# Altium PCB nanoga_mezzanine.PcbDoc (part 3 of 3)
Units mm, origin at the board's own origin, x right, y up, seen from the top; angles counter-clockwise.
Board outline 100.05 x 34.55 mm, 6 copper layers (Top Layer, MidLayer1, MidLayer2, MidLayer3, MidLayer4, Bottom Layer), stack 1.096 mm thick; 318 components, 196 nets, 930 pads, 394 vias.
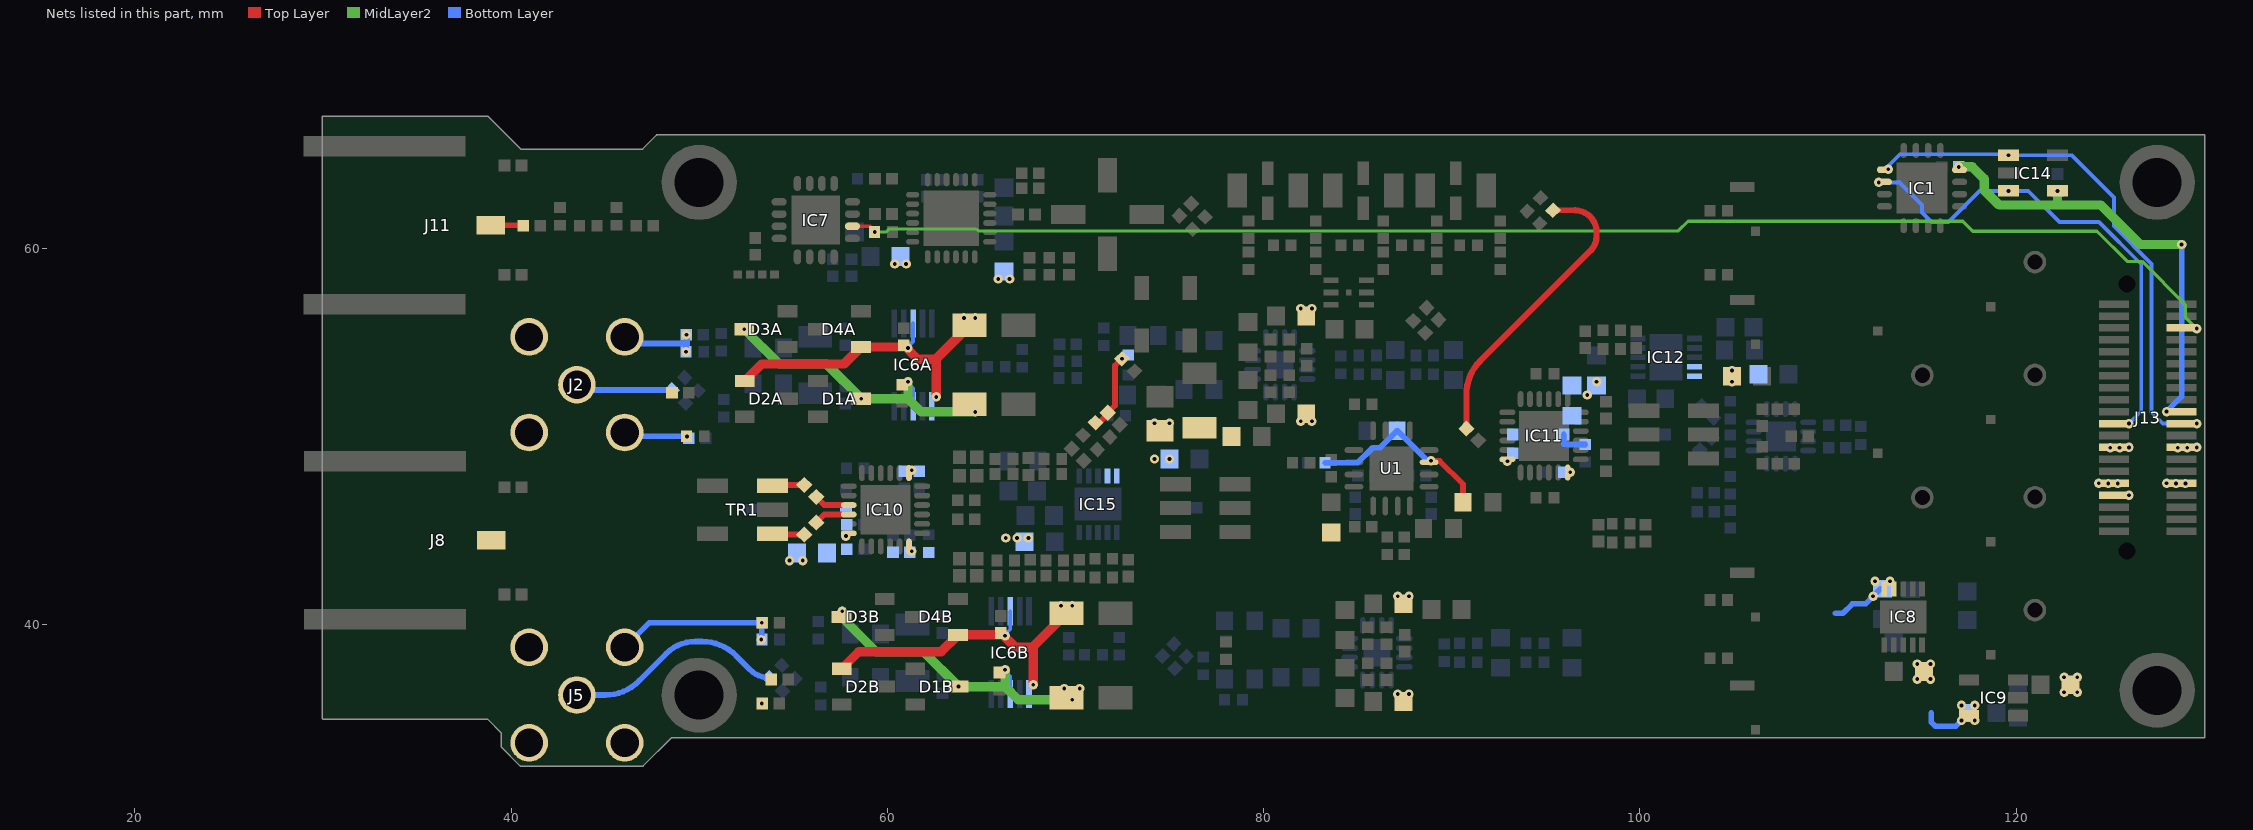
[diagram p7: the nets of this part, all layers, seen from the top]

## Via types
v1: diameter 0.5, hole 0.2, Top Layer to Bottom Layer, 384 vias
v2: diameter 0.6, hole 0.3, Top Layer to Bottom Layer, 6 vias
v3: diameter 0.8, hole 0.4, Top Layer to Bottom Layer, tented top, 4 vias

## Nets (pads, with @x,y where several pads share a name; then routed paths per layer and width w, separated by ;. In a path a pad name is that pad's centre, name@x,y a point inside that pad or via, vN(x,y) a via of type N, cw(c..) or ccw(c..) an arc to the next point about the centre after c; other vN are vias at no path point) (continued)
QHI_P: C90.2 R85.2 R86.2 R98.1 | length 4
  Top Layer w0.3: R85.2@71.162,50.627 71.663,51.129 ccw(c71.542,51.25) C90.2@71.713,51.25 72.1,51.636 72.1,53.765 v1(72.468,54.132)
RET1_IN: C10.1 C65.2 C68.2 J2.2 R35A.1 R62.2 | length 7.9
  Bottom Layer w0.3: J2.2@46.04,50.21 ccw(c46.547,50.717) 46.547,50 v1(49.35,50) ; J2.2@46.04,55.29 46.39,54.94 49.3,54.94 ; v1(49.3,54.5) 49.3,54.94 ; v1(49.32,55.4) 49.35,55.37 49.35,54.96 ; 49.35,54.89 49.35,54.94 ; 49.3,54.94 49.35,54.94 ; 49.3,54.94 49.3,55.01 49.35,54.96 ; 49.35,54.94 49.35,54.96
RET2_IN: C32.1 C67.2 C69.2 J5.2 R35B.1 R64.2 | length 8.6
  Bottom Layer w0.3: J5.2@40.96,38.79 J5.2@40.99,38.79 ; J5.2@46.04,38.79 47.35,40.1 C32.1@53.2,40.1 ; v1(53.32,40.1) 53.33,40.09 R35B.1@53.33,39.2
  other v1: 53.32,35.8 53.3,39.2
RF2_OUT: C50.2 J11.1 | length 1.8
  Top Layer w0.3: J11.1@38.925,61.225 40.49,61.225 cw(c40.49,61.035) 40.624,61.169 C50.2@40.65,61.195
RF_IN: C44.2 R59.1 | length 16.1
  Top Layer w0.3: R59.1@95.383,62.016 96.005,62.016 96.551,62.016
  Top Layer w0.33: C44.2@90.782,50.418 90.782,52.23 cw(c93.322,52.23) 91.526,54.026 97.4,59.9 ccw(c96.676,60.624) 97.7,60.624 97.7,60.867 ccw(c96.551,60.867) 96.551,62.016
RF_OUT1: J8.1
RFI_N: C77.2 IC10.21 | length 1.9
  Top Layer w0.3: C77.2@56.218,46.782 56.65,46.35 IC10.21@57.95,46.35
RFI_P: C73.2 IC10.22 | length 1.9
  Top Layer w0.3: C73.2@56.218,45.418 56.65,45.85 IC10.22@57.95,45.85
RFITR_N: C77.1 TR1.1 | length 1.7
  Top Layer w0.3: TR1.1@53.89,47.37 53.938,47.418 C77.1@55.582,47.418
RFITR_P: C73.1 TR1.3 | length 1.7
  Top Layer w0.3: TR1.3@53.89,44.83 53.938,44.782 C73.1@55.582,44.782
RFSW2_CTRL: IC7.2 J13.5 R20.2 | length 74.7
  Top Layer w0.2: IC7.2@58.147,61.17 59.092,61.17 59.327,60.935 v1(59.327,60.865)
  MidLayer2 w0.17: v1(59.327,60.865) 59.935,60.865 60.1,61.03 64.719,61.03 64.824,60.925 102.051,60.925 102.561,61.435 117.165,61.435 117.7,60.9 124.3,60.9 125.9,59.3 126.7,59.3 129,57 129,56.33 v1(129.6,55.73)
SCL: IC1.1 IC14.1 J13.21 | length 28.3
  Bottom Layer w0.2: v1(113.2,64.2) 113.2,64.375 113.825,65 119.55,65 v1(119.6,64.95) 122.95,64.95 125.2,62.7 125.2,61.166 127.2,59.166 127.2,51.283 127.8,50.683 v1(129.6,50.683)
SDA: IC1.2 IC14.3 J13.22 | length 26.1
  Bottom Layer w0.2: v1(112.7,63.5) 113.75,63.5 113.775,63.525 115,62.3 115,61.9 115.5,61.4 116.4,61.4 118.05,63.05 v1(119.6,63.05) 120.65,63.05 122.3,61.4 124.4,61.4 126.65,59.15 126.65,51.333 v1(126,50.683)
SIG1_IN: J2.1 R6A.1 | length 5.2
  Bottom Layer w0.3: J2.1@43.5,52.75 ccw(c44.182,53.432) 44.182,52.468 R6A.1@48.568,52.468 ; R6A.1@48.568,52.432 R6A.1@48.588,52.432
SIG2_IN: J5.1 R6B.1 | length 11.8
  Bottom Layer w0.3: J5.1@43.5,36.25 44.998,36.25 ccw(c44.998,38.79) 46.794,36.994 48.264,38.464 cw(c49.8,36.927) 49.8,39.1 50.148,39.1 cw(c50.148,36.56) 51.944,38.356 52.711,37.589 ccw(c53.728,38.605) R6B.1@53.728,37.168
VCCD_3V3: C43.2 C54.2 IC1.12 IC14.4 J13.19 | length 23.9
  MidLayer2 w0.5: v1(116.95,64.325) 117.675,64.325 118.3,63.7 118.3,63.1 119.1,62.3 122.2,62.3 ; v1(122.2,63.05) 122.2,62.3 ; v1(128.8,60.2) 126.6,60.2 124.5,62.3 122.2,62.3
  Bottom Layer w0.3: v1(128,51.318) 128.8,52.118 v1(128.8,60.2)
VCCN_5V0_A: C53.2 IC9.5 L5A.1 L5B.1 | length 2.9
  Bottom Layer w0.3: 115.5,35.3 115.5,34.8 115.7,34.6 116.8,34.6 v1(117.1,34.9) 117.45,35.25 C53.2@117.45,35.3
  other v1: 117.8,34.9 117.1,35.7 117.8,35.7 87.13,36.3 87.73,36.3 81.97,50.8 82.57,50.8
VCCN_6V0_A: J13.31 L10.1
  other v1: 122.55,36.4 123.25,36.4 122.55,37.2 123.25,37.2 128,47.508 128.5,47.495 129,47.495
VCCN_12V0_A: C41A.2 C41B.2 C42A.2 C42B.2 D2A.1 D2B.1 D4A.1 D4B.1 IC6A.3 IC6A.6 IC6B.3 IC6B.6 J13.25 | length 34.3
  Top Layer w0.5: D2A.1@52.42,52.95 53.32,53.85 57.7,53.85 D4A.1@58.6,54.75 60.77,54.75 C41A.2@60.87,54.85 61.62,54.1 62.57,54.1 ; D2B.1@57.58,37.65 58.48,38.55 62.86,38.55 D4B.1@63.76,39.45 65.93,39.45 C41B.2@66.03,39.55 66.78,38.8 67.73,38.8 ; v1(62.6,52.1) 62.6,54.1 62.585,54.115 ; C42A.2@64.37,55.9 62.585,54.115 ; v1(67.76,36.8) 67.76,38.8 67.745,38.815 ; C42B.2@69.53,40.6 67.745,38.815 ; 62.57,54.1 62.585,54.115 ; 62.57,54.1 62.57,54.13 62.585,54.115 ; 67.73,38.8 67.745,38.815 ; 67.73,38.8 67.73,38.83 67.745,38.815
  Bottom Layer w0.2: v1@61.12,54.8 61.37,55.05 IC6A.3@61.37,56 ; v1@66.28,39.5 66.53,39.75 IC6B.3@66.53,40.7
  other v1: 66.26,39.4 69.23,41 69.83,41 128.6,49.4 129.1,49.4 129.6,49.413 61.1,54.7 64.07,56.3 64.67,56.3
VCCP_5V0: C11.2 IC8.9 IC8.10 L3A.2 L3B.2 L4.1 L6.2 L7.1 L8.2 L11.1 L12.1 | length 3
  Bottom Layer w0.3: 110.4,40.6 110.8,40.6 111.3,41.1 112,41.1 v1(112.4,41.5) 112.8,41.9 C11.2@112.9,41.9
  other v1: 87.13,41.5 87.73,41.5 112.5,42.3 113.3,42.3 54.8,43.4 55.5,43.4 97.2,52.2 97.7,52.9 81.97,56.8 82.57,56.8 65.897,58.365 66.497,58.365 60.397,59.165 60.997,59.165
VCCP_6V0_A: J13.32 J13.34 L9.1
  other v1: 114.75,37.1 115.45,37.1 114.75,37.9 115.45,37.9 126,46.873 124.4,47.508 124.9,47.495 125.4,47.495
VCCP_11V5_A: C12.2 C13.2 C76.2 IC15.9 IC15.10 R5.1
  other v1: 74.2,48.8 75,48.8 74.2,50.7 75,50.7
VCCP_12V0_A: C34A.1 C34B.1 C35A.2 C35B.2 D1A.3 D1B.3 D3A.3 D3B.3 IC6A.8 IC6B.8 J13.26 L14.1 | length 32.9
  MidLayer2 w0.5: v1(52.4,55.7) 54.25,53.85 56.77,53.85 v1(58.62,52) 61.1,52 ; v1(57.6,40.7) 57.6,40.36 59.41,38.55 61.93,38.55 v1(63.78,36.7) 66.26,36.7 ; v1(61.1,52.9) 61.1,52 ; v1(64.67,51.3) 64.07,51.3 61.8,51.3 61.1,52 ; v1(66.26,37.6) 66.26,36.7 ; 69.23,36 66.96,36 66.26,36.7 ; 69.23,36 v1(69.83,36)
  Bottom Layer w0.2: v1@61.12,52.8 61.37,52.55 IC6A.8@61.37,51.6 ; v1@66.28,37.5 66.53,37.25 IC6B.8@66.53,36.3
  other v1: 69.4,36.6 70.23,36.6 66.3,44.6 66.9,44.6 67.5,44.6 125,49.4 125.5,49.4 126,49.413
VCCP_LO_3V3: C99.2 IC12.9 IC12.10 L13.1
  other v1: 104.9,52.9 104.9,53.5
VdPS: C93.2 C94.2 C95.2 C96.2 C97.2 C98.2 IC10.6 IC10.13 IC10.24 L11.2 R77.2 R78.2
  other v1: 61.3,43.9 57.8,44.7 61.3,48.2
VPS: C48.2 C70.2 C71.2 C72.2 IC11.18 IC11.24 L4.2 R38.2 | length 1.7
  Bottom Layer w0.3: C71.2@95.95,50.1 95.95,49.59 96.15,49.59 96.17,49.57 R38.2@97.1,49.57
  other v1: 96.3,48.1 92.96,48.68
VREF_AD8363: R28.1 R29.2 R30.1 U1.11 | length 10.2
  Top Layer w0.3: v1(88.9,48.7) 89.361,48.7 90.6,47.461 R28.1@90.6,46.5
  Bottom Layer w0.3: R30.1@83.27,48.6 85,48.6 85.8,49.4 86.019,49.4 86.021,49.402 86.202,49.402 R29.2@87.1,50.3 87.125,50.3 88.725,48.7 v1(88.9,48.7)
pads on no net: D1A.2 D1B.2 D2A.2 D2B.2 D3A.2 D3B.2 D4A.2 D4B.2 IC1.5 IC1.6 IC1.7 IC1.8 IC1.9 IC1.10 IC1.13 IC1.14 IC1.15 IC1.16 IC3.19 IC7.4 IC7.6 IC7.7 IC7.8 IC7.13 IC7.14 IC7.15 IC7.16 IC8.4 IC9.4 IC10.12 IC11.6 IC11.7 IC11.13 IC11.15 IC12.4 IC13.9 IC13.10 IC13.14 IC13.15 IC14.5 IC15.4 J13.20 J13.27 J13.28 J13.P1 J13.P2 L1.2 L1.4 TR2.5 TR3.5 U1.13

## Polygon pours and split planes (outlines as drawn)
RET2_IN on MidLayer2 "RET2_IN_L03_P059" (solid, remove dead copper, pour order 115): 41,40.5 46.793,40.5 ccw(c46.793,42.207) 48,41 cw(c48.724,40.276) 48.724,41.3 52.776,41.3 cw(c52.776,40.276) 53.5,41 cw(c52.776,40.276) 53.8,40.276 53.8,37.935 ccw(c54.141,37.935) 53.9,37.694 54.276,37.317 cw(c54.219,37.26) 54.3,37.26 cw(c53.649,37.26) 54.109,36.8 ccw(c54.857,36.053) 53.8,36.053 53.8,35.524 cw(c52.776,35.524) 53.5,34.8 51.944,33.244 cw(c50.148,35.04) 50.148,32.5 40.152,32.5 cw(c40.152,35.04) 38.356,33.244 38,33.6 cw(c39.449,35.049) 37.4,35.049 37.4,36.9 cw(c39.331,36.9) 37.966,38.266 39.634,39.934 cw(c41,38.569)
RET1_IN on MidLayer2 "RET1_IN_L03_P065" (solid, remove dead copper, pour order 121): 48.034,57 cw(c48.034,55.634) 49,56.6 49.607,55.993 cw(c49.215,55.6) 49.77,55.6 49.77,54.692 cw(c48.848,54.692) 49.5,54.04 48.87,53.41 ccw(c49.28,53) 48.7,53 48.7,52.941 ccw(c49.041,52.941) 48.8,52.7 48.929,52.571 cw(c48.759,52.4) 49,52.4 49,52.363 cw(c48.486,52.363) 48.849,52 ccw(c49.21,51.639) 48.7,51.639 48.7,51.5 ccw(c49.666,51.5) 48.983,50.817 49.059,50.741 ccw(c49.4,51.083) 49.4,50.6 cw(c49.4,50.455) 49.502,50.558 49.6,50.46 cw(c49.117,49.977) 49.8,49.977 49.8,49.7 cw(c48.351,49.7) 49.376,48.676 49.3,48.6 cw(c47.61,50.29) 47.61,47.9 42.252,47.9 cw(c42.252,50.44) 40.456,48.644 39.5,49.6 cw(c40.466,50.566) 39.1,50.566 39.1,55 cw(c40.79,55) 39.595,56.195 40,56.6 cw(c40.966,55.634) 40.966,57
NetC52_2 on MidLayer2 "NETC52_2_L03_P071" (solid, remove dead copper, pour order 127): 30,67 37.245,67 cw(c37.245,64.46) 39.041,66.256 39.575,65.723 cw(c38.307,64.455) 40.1,64.455 40.1,63.966 ccw(c41.466,63.966) 40.5,63 cw(c39.052,61.552) 41.1,61.552 41.1,61.007 cw(c39.393,61.007) 40.6,59.8 40.595,59.795 ccw(c41.79,58.6) 40.1,58.6 cw(c37.686,58.6) 39.393,56.893 38.944,56.444 cw(c37.148,58.24) 37.148,55.7 30.014,55.7
NetC51_2 on MidLayer2 "NETC51_2_L03_P077" (solid, remove dead copper, pour order 133): 30.025,50.25 37.27,50.25 cw(c37.27,47.71) 39.067,49.506 39.6,48.972 cw(c38.332,47.704) 40.125,47.704 40.125,47.215 ccw(c41.491,47.215) 40.525,46.25 cw(c39.077,44.801) 41.125,44.801 41.125,44.257 cw(c39.418,44.257) 40.625,43.05 40.62,43.045 ccw(c41.815,41.85) 40.125,41.85 cw(c37.711,41.85) 39.418,40.142 38.969,39.694 cw(c37.173,41.49) 37.173,38.95 30.039,38.95
VCCP_12V0_A on MidLayer2 "VCCP_12V0_A_L03_P086" (solid, remove dead copper, pour order 146): 75.8,50.7 ccw(c73.8,50.7) 73.8,52.7 62.7,52.7 cw(c62.7,53.5) 61.9,53.5 61.9,53.96 ccw(c59.36,53.96) 59.36,56.5 52.2,56.5 ccw(c52.2,55.47) 51.17,55.47 51.17,52.04 ccw(c53.71,52.04) 53.71,49.5 74.7,49.5 ccw(c74.7,50.6) 75.8,50.6
VdPS on MidLayer2 "VDPS_L03_P141" (solid, pour order 141): 57,49 ccw(c57,48) 56,48 56,44 ccw(c57,44) 57,43 62,43 ccw(c62,44) 63,44 63,48 ccw(c62,48) 62,49
VCCP_12V0_A on MidLayer2 "VCCP_12V0_A_L03_P085" (solid, remove dead copper, pour order 145): 70.6,36.3 cw(c70,36.3) 70,35.7 59.64,35.7 cw(c59.64,38.24) 57.1,38.24 57.1,42.1 cw(c58,42.1) 58,43 68.5,43 ccw(c68.5,43.5) 69,43.5 cw(c69.6,43.5) 69.6,44.1 74,44.1 cw(c74,43.5) 74.6,43.5 74.6,43.2 cw(c74.1,43.2) 74.1,42.7 71.2,42.7 ccw(c71.2,42.3) 70.8,42.3 cw(c70.3,42.3) 70.3,41.8 68.5,41.8 ccw(c68.5,40.6) 67.3,40.6 67.3,39.7 ccw(c69,39.7) 69,38 69.6,38 cw(c69.6,37) 70.6,37
GND on MidLayer2 "GND_L03_P089" (solid, remove dead copper, pour order 149): 38.739,34.975 39.475,34.239 39.475,33.5 ccw(c39.5,33.5) 39.482,33.482 40.482,32.482 cw(c40.5,32.5) 40.482,32.482 ccw(c40.5,32.5) 40.5,32.475 47,32.475 ccw(c47,32.5) 47.018,32.482 48.511,33.975 130,33.975 ccw(c130,34) 130.025,34 130.025,66 ccw(c130,66) 130,66.025 47.75,66.025 ccw(c47.75,66) 47.732,66.018 cw(c47.75,66) 47.732,66.018 46.989,65.275 40.511,65.275 38.768,67.018 cw(c38.75,67) 38.768,67.018 ccw(c38.75,67) 38.75,67.025 30,67.025 ccw(c30,67) 29.975,67 29.975,35 ccw(c30,35) 30,34.975
RET2_IN on MidLayer3 "RET2_IN_L04_P060" (solid, remove dead copper, pour order 116): 41,40.5 46.793,40.5 ccw(c46.793,42.207) 48,41 cw(c48.724,40.276) 48.724,41.3 52.776,41.3 cw(c52.776,40.276) 53.5,41 cw(c52.776,40.276) 53.8,40.276 53.8,37.935 ccw(c54.141,37.935) 53.9,37.694 54.276,37.317 cw(c54.219,37.26) 54.3,37.26 cw(c53.649,37.26) 54.109,36.8 ccw(c54.857,36.053) 53.8,36.053 53.8,35.524 cw(c52.776,35.524) 53.5,34.8 51.944,33.244 cw(c50.148,35.04) 50.148,32.5 40.152,32.5 cw(c40.152,35.04) 38.356,33.244 38,33.6 cw(c39.449,35.049) 37.4,35.049 37.4,36.9 cw(c39.331,36.9) 37.966,38.266 39.634,39.934 cw(c41,38.569)
VCCN_12V0_A on MidLayer3 "VCCN_12V0_A_L04_P050" (solid, remove dead copper, pour order 107): 0,0
VCCN_6V0_A on MidLayer3 "VCCN_6V0_A_L04_P043" (solid, remove dead copper, pour order 100): 127.06,36 ccw(c127.06,38.54) 129.6,38.54 129.6,47.443 ccw(c129,47.443) 129,48.043 127.443,48.043 ccw(c127.443,47.6) 127,47.6 127,42 cw(c126,42) 126,41 124.54,41 ccw(c124.54,38.46) 122,38.46 122,36.5 ccw(c122.5,36.5) 122.5,36
VCCP_6V0_A on MidLayer3 "VCCP_6V0_A_L04_P044" (solid, remove dead copper, pour order 101): 114.735,36.565 120.065,36.565 ccw(c120.065,38) 121.5,38 121.5,39.485 cw(c124.04,39.485) 124.04,42.025 126,42.025 ccw(c126,42.625) 126.6,42.625 126.6,47 ccw(c125.6,47) 125.6,48 122.54,48 ccw(c122.54,45.46) 120,45.46 120,43.507 cw(c119.6,44.2) 119.6,43.4 ccw(c119.6,42.3) 118.5,42.3 118.5,40.891 cw(c117.4,40.891) 117.973,39.952 cw(c117.46,42.44) 117.46,39.9 114.9,39.9 ccw(c114.9,39) 114,39 114,37.3 ccw(c114.735,37.3)
VCCP_5V0 on MidLayer3 "VCCP_5V0_L04_P046" (solid, remove dead copper, pour order 103): 58.8,42 65.4,42 ccw(c65.4,42.5) 65.9,42.5 ccw(c65.4,42.5) 65.9,42.5 65.9,43 ccw(c65.4,43) 65.4,43.5 ccw(c65.4,43) 65.4,43.5 61.4,43.5 61.4,45.06 ccw(c60.92,45.2) 61.42,45.2 61.42,57.1 66.4,57.1 ccw(c66.4,57.6) 66.9,57.6 ccw(c66.4,57.6) 66.9,57.6 66.9,58.1 ccw(c66.4,58.1) 66.9,58.102 66.9,58.1 ccw(c66.4,58.1) 66.897,58.15 ccw(c66.4,58.2) 66.9,58.2 cw(c66.4,58.2) 66.9,58.2 66.9,58.7 cw(c66.4,58.7) 66.9,58.7 ccw(c66.4,58.7) 66.4,59.2 61.42,59.2 61.42,59.5 ccw(c61.02,59.5) 61.02,59.9 60.32,59.9 ccw(c60.32,59.5) 59.92,59.5 59.92,58.1 59.22,58.1 ccw(c59.22,57.7) 58.82,57.7 58.82,43.5 58.8,43.5
RET1_IN on MidLayer3 "RET1_IN_L04_P066" (solid, remove dead copper, pour order 122): 48.034,57 cw(c48.034,55.634) 49,56.6 49.607,55.993 cw(c49.215,55.6) 49.77,55.6 49.77,54.692 cw(c48.848,54.692) 49.5,54.04 48.87,53.41 ccw(c49.28,53) 48.7,53 48.7,52.941 ccw(c49.041,52.941) 48.8,52.7 48.929,52.571 cw(c48.759,52.4) 49,52.4 49,52.363 cw(c48.486,52.363) 48.849,52 ccw(c49.21,51.639) 48.7,51.639 48.7,51.5 ccw(c49.666,51.5) 48.983,50.817 49.059,50.741 ccw(c49.4,51.083) 49.4,50.6 cw(c49.4,50.455) 49.502,50.558 49.6,50.46 cw(c49.117,49.977) 49.8,49.977 49.8,49.7 cw(c48.351,49.7) 49.376,48.676 49.3,48.6 cw(c47.61,50.29) 47.61,47.9 42.252,47.9 cw(c42.252,50.44) 40.456,48.644 39.5,49.6 cw(c40.466,50.566) 39.1,50.566 39.1,55 cw(c40.79,55) 39.595,56.195 40,56.6 cw(c40.966,55.634) 40.966,57
NetC52_2 on MidLayer3 "NETC52_2_L04_P072" (solid, remove dead copper, pour order 128): 30,67 37.245,67 cw(c37.245,64.46) 39.041,66.256 39.575,65.723 cw(c38.307,64.455) 40.1,64.455 40.1,63.966 ccw(c41.466,63.966) 40.5,63 cw(c39.052,61.552) 41.1,61.552 41.1,61.007 cw(c39.393,61.007) 40.6,59.8 40.595,59.795 ccw(c41.79,58.6) 40.1,58.6 cw(c37.686,58.6) 39.393,56.893 38.944,56.444 cw(c37.148,58.24) 37.148,55.7 30.014,55.7
NetC51_2 on MidLayer3 "NETC51_2_L04_P078" (solid, remove dead copper, pour order 134): 30.025,50.25 37.27,50.25 cw(c37.27,47.71) 39.067,49.506 39.6,48.972 cw(c38.332,47.704) 40.125,47.704 40.125,47.215 ccw(c41.491,47.215) 40.525,46.25 cw(c39.077,44.801) 41.125,44.801 41.125,44.257 cw(c39.418,44.257) 40.625,43.05 40.62,43.045 ccw(c41.815,41.85) 40.125,41.85 cw(c37.711,41.85) 39.418,40.142 38.969,39.694 cw(c37.173,41.49) 37.173,38.95 30.039,38.95
VCCN_5V0_A on MidLayer3 "VCCN_5V0_A_L04_P045" (solid, remove dead copper, pour order 102): 117.905,34.4 ccw(c117.905,34.9) 118.405,34.9 118.405,35.4 ccw(c117.905,35.4) 118.405,35.4 ccw(c117.905,35.4) 118.405,35.4 118.405,35.9 ccw(c117.905,35.9) 117.905,36.4 103.605,36.4 ccw(c103.605,36) 103.205,36 103.205,35.9 88.095,35.9 88.095,36.6 ccw(c87.695,36.6) 87.695,37 ccw(c87.695,36.6) 87.695,37 83,37 83,50.8 ccw(c82.6,50.8) 82.6,51.2 81.9,51.2 ccw(c81.9,50.8) 81.5,50.8 81.5,34.9 ccw(c82,34.9) 81.505,34.829 81.505,34.8 ccw(c81.905,34.8) 81.905,34.4 81.998,34.4 ccw(c82,34.9) 82,34.4 82.5,34.4 ccw(c82.5,34.9) 82.502,34.4
VCCP_5V0 on MidLayer3 "VCCP_5V0_L04_P047" (solid, remove dead copper, pour order 104): 80.185,34.701 ccw(c80.21,35.2) 80.21,34.7 80.71,34.7 ccw(c80.71,35.2) 81.21,35.2 81.21,49.5 ccw(c80.81,49.5) 81.18,49.652 81.18,55.9 84.38,55.9 84.38,57.4 81.039,57.4 ccw(c80.78,57.095) 80.78,57.495 79.71,57.495 ccw(c79.71,57.095) 79.31,57.095 79.31,56.99 ccw(c79.22,56.6) 79.22,57 78.52,57 ccw(c78.52,56.6) 78.12,56.6 78.12,42.3 ccw(c78.62,42.3) 78.62,41.8 79.11,41.8 79.11,36.2 65.63,36.2 65.63,43.305 64.13,43.305 64.13,35.2 ccw(c64.63,35.2) 64.63,34.7 65.13,34.7 ccw(c65.13,35.2) 65.132,34.7 79.3,34.7 ccw(c79.3,35.2) 79.447,34.722 ccw(c79.61,35.195) 79.61,34.695 80.11,34.695 ccw(c80.11,35.195)
VCCP_5V0 on MidLayer3 "VCCP_5V0_L04_P140" (solid, remove dead copper, pour order 140): 54,43.4 ccw(c55.4,43.4) 55.4,42 58.8,42 ccw(c58.8,42.5) 59.3,42.5 59.3,43.7 ccw(c58.9,43.7) 58.9,44.1 54.7,44.1 ccw(c54.7,43.4)
VCCN_12V0_A on MidLayer3 "VCCN_12V0_A_L04_P048" (solid, remove dead copper, pour order 105): 61.9,55.9 ccw(c62.4,55.9) 62.4,55.4 68.4,55.4 68.4,40.5 ccw(c68.9,40.5) 68.9,40 69.4,40 ccw(c69.4,40.5) 69.55,40.023 ccw(c69.7,40.5) 69.7,40 70.2,40 ccw(c70.2,40.5) 70.7,40.5 70.7,56.7 ccw(c70.3,56.7) 70.3,57.1 69.6,57.1 ccw(c69.6,56.7) 69.55,57.097 ccw(c69.5,56.7) 69.5,57.1 68.8,57.1 ccw(c68.8,56.7) 68.454,56.9 62.4,56.9 ccw(c62.4,56.4) 61.9,56.4
VCCN_12V0_A on MidLayer3 "VCCN_12V0_A_L04_P051" (solid, remove dead copper, pour order 108): 106.6,59.371 ccw(c107,59.371) 107,58.971 126.6,58.971 126.6,52.3 126.6,48.9 ccw(c127.1,48.9) 127.1,48.4 127.6,48.4 ccw(c127.6,48.9) 127.65,48.403 ccw(c127.7,48.9) 127.7,48.4 128.7,48.4 ccw(c128.7,48.9) 128.75,48.403 ccw(c128.8,48.9) 128.8,48.4 129.3,48.4 ccw(c129.3,48.9) 129.8,48.9 129.8,55.9 129.8,59.1 129.8,62.3 129.8,64.9 126.6,64.9 90.1,64.9 67.6,64.9 ccw(c67.6,64.4) 67.1,64.4 67.1,63.9 ccw(c67.6,63.9) 67.103,63.85 ccw(c67.6,63.8) 67.1,63.8 67.1,62.8 ccw(c67.6,62.8) 67.103,62.75 ccw(c67.6,62.7) 67.1,62.7 ccw(c68.1,62.7) 68.1,61.7 68.481,61.7 68.481,51.7 ccw(c68.981,51.7) 68.981,51.2 69.481,51.2 ccw(c69.481,51.7) 69.531,51.203 ccw(c69.581,51.7) 69.581,51.2 70.581,51.2 ccw(c70.581,51.7) 70.631,51.203 ccw(c70.681,51.7) 70.681,51.2 71.181,51.2 ccw(c71.181,51.7) 71.681,51.7 71.681,61.7 90.4,61.7 106.6,61.7
VCCP_12V0_A on MidLayer3 "VCCP_12V0_A_L04_P049" (solid, pour order 106): 74.55,42.123 ccw(c74.7,42.6) 74.7,42.1 75.2,42.1 ccw(c75.2,42.6) 75.7,42.6 75.7,50.705 75.7,60.2 ccw(c75.3,60.2) 75.3,60.6 74.659,60.6 ccw(c74.657,60.1) 74.657,60.6 74.157,60.6 ccw(c74.157,60.1) 73.657,60.1 73.657,57.3 73.1,57.3 ccw(c73.1,56.9) 72.7,56.9 72.7,42.6 ccw(c73.2,42.6) 73.2,42.1 73.7,42.1 ccw(c73.7,42.6) 73.8,42.11 ccw(c73.9,42.6) 73.9,42.1 74.4,42.1 ccw(c74.4,42.6)
VCCP_5V0 on MidLayer3 "VCCP_5V0_L04_P081" (solid, remove dead copper, pour order 137): 105.323,43.4 109.294,43.4 112.806,43.4 113.525,43.4 cw(c113.525,42.9) 114.025,42.9 114.025,42.4 114.015,42.3 114.025,42.2 114.025,41.7 cw(c113.525,41.7) 113.525,41.2 105.425,41.2 105.025,41 90.725,41 90.6,41.02 86.845,41.02 86.52,40.9 86.02,40.9 85.695,41.02 83.6,41.02 83.257,41.214 83.18,41.45 83.18,55.75 83.1,55.9 81.7,55.9 cw(c81.7,56.4) 81.2,56.4 81.2,56.9 cw(c81.7,56.9) 81.7,57.4 83.6,57.4 84.3,57.4 cw(c84.3,57) 84.7,57 84.7,56.425 85.2,56.425 85.248,56.428 cw(c85.248,55.958) 85.695,56.1 85.808,56.117 85.92,56.1 86.62,56.1 cw(c86.62,55.7) 87.02,55.7 87.02,43.4 101.471,43.4
VCCP_5V0 on MidLayer3 "VCCP_5V0_L04_P081" (solid, remove dead copper, pour order 138): 83.6,41.02 85.695,41.02 86.02,40.9
VCCP_5V0 on MidLayer3 "VCCP_5V0_L04_P139" (solid, remove dead copper, pour order 139): 96,42.7 96,51.8 cw(c97.6,51.8) 97.6,53.4 98.6,53.4 cw(c98.6,52) 100,52 100,43 cw(c99.3,43) 99.3,42.3 96.4,42.3 cw(c96.4,42.6) 96.1,42.6
VCCP_12V0_A on MidLayer3 "VCCP_12V0_A_L04_P052" (solid, remove dead copper, pour order 109): 125.47,48.301 ccw(c125.5,48.8) 125.5,48.3 ccw(c125.5,48.8) 125.5,48.3 126,48.3 ccw(c126,48.8) 126,48.3 ccw(c126,48.8) 126.5,48.8 ccw(c126,48.8) 126.5,48.8 126.5,58.4 124.44,58.4 106.1,58.4 106.1,61.135 74.1,61.135 ccw(c74.1,60.735) 74.1,61.135 ccw(c74.1,60.735) 73.7,60.735 73.7,58.335 ccw(c74.1,58.335) 74.1,57.935 ccw(c74.1,58.335) 74.1,57.935 93.001,57.935 ccw(c93.5,57.9) 93,57.9 ccw(c93.5,57.9) 93,57.9 93,57.4 ccw(c93.5,57.4) 93,57.4 ccw(c93.5,57.4) 93.5,56.9 ccw(c93.5,57.4) 93.5,56.9 124.44,56.9 124.44,48.8 ccw(c124.94,48.8) 124.44,48.8 ccw(c124.94,48.8) 124.94,48.3 ccw(c124.94,48.8) 124.94,48.3 125.44,48.3 ccw(c125.44,48.8) 125.44,48.3 ccw(c125.44,48.8)
VCCP_12V0_A on MidLayer3 "VCCP_12V0_A_L04_P054" (solid, remove dead copper, pour order 111): 70.6,36.2 70.6,36.7 74.4,36.7 ccw(c74.4,37.2) 74.55,36.723 ccw(c74.7,37.2) 74.7,36.7 75.2,36.7 ccw(c75.2,37.2) 75.7,37.2 75.7,51.5 ccw(c75.3,51.5) 75.3,51.9 ccw(c75.3,51.5) 75.3,51.9 74.6,51.9 ccw(c74.6,51.5) 74.6,51.9 ccw(c74.6,51.5) 74.2,51.5 74.2,51.6 ccw(c73.8,51.6) 73.8,52 ccw(c73.8,51.6) 73.8,52 73.1,52 ccw(c73.1,51.6) 73.1,52 ccw(c73.1,51.6) 72.7,51.6 72.7,40.476 67.9,40.476 67.9,52.3 ccw(c67.5,52.3) 67.9,52.3 ccw(c67.5,52.3) 67.5,52.7 ccw(c67.5,52.3) 67.5,52.7 66.8,52.7 ccw(c66.8,52.3) 66.8,52.7 ccw(c66.8,52.3) 66.769,52.699 66.769,52.7 66.674,52.7 cw(c66.674,52.804) 66.57,52.803 66.57,53.3 ccw(c66.17,53.3) 66.57,53.3 ccw(c66.17,53.3) 66.17,53.7 ccw(c66.17,53.3) 66.17,53.7 65.47,53.7 ccw(c65.47,53.301) 65.47,53.7 ccw(c65.47,53.301) 65.343,53.679 ccw(c65.2,53.202) 65.2,53.7 ccw(c65.2,53.202) 65.2,53.7 64.4,53.7 ccw(c64.4,53.2) 64.4,53.7 ccw(c64.4,53.2) 64.1,53.6 61.1,53.6 ccw(c61.1,53.1) 61.1,53.6 ccw(c61.1,53.1) 60.6,53.1 ccw(c61.1,53.1) 60.6,53.1 60.6,52.6 ccw(c61.1,52.6) 61.1,52.1 ccw(c61.1,52.6) 61.1,52.1 63.9,52.1 63.9,48.4 63.9,46.63 ccw(c64.4,46.63) 63.9,46.63 ccw(c64.4,46.63) 64.4,46.13 65.07,46.13 65.07,39 ccw(c65.57,39) 65.57,38.5 ccw(c65.57,39) 65.57,38.5 65.7,38.5 65.7,37.2 ccw(c66.2,37.2) 65.7,37.2 ccw(c66.2,37.2) 66.2,36.7 ccw(c66.2,37.2) 66.2,36.7 66.7,36.7 69.1,36.7 69.1,36.2 ccw(c69.6,36.2) 69.1,36.2 ccw(c69.6,36.2) 69.6,35.7 70.1,35.7 ccw(c70.1,36.2)
GND on MidLayer3 "GND_L04_P088" (solid, remove dead copper, pour order 148): 38.739,34.975 39.475,34.239 39.475,33.5 ccw(c39.5,33.5) 39.482,33.482 40.482,32.482 cw(c40.5,32.5) 40.482,32.482 ccw(c40.5,32.5) 40.5,32.475 47,32.475 ccw(c47,32.5) 47.018,32.482 48.511,33.975 130,33.975 ccw(c130,34) 130.025,34 130.025,66 ccw(c130,66) 130,66.025 47.75,66.025 ccw(c47.75,66) 47.732,66.018 cw(c47.75,66) 47.732,66.018 46.989,65.275 40.511,65.275 38.768,67.018 cw(c38.75,67) 38.768,67.018 ccw(c38.75,67) 38.75,67.025 30,67.025 ccw(c30,67) 29.975,67 29.975,35 ccw(c30,35) 30,34.975
GND on MidLayer1 "GND_L02_P090" (solid, remove dead copper, pour order 150): 38.739,34.975 39.475,34.239 39.475,33.5 ccw(c39.5,33.5) 39.482,33.482 40.482,32.482 cw(c40.5,32.5) 40.482,32.482 ccw(c40.5,32.5) 40.5,32.475 47,32.475 ccw(c47,32.5) 47.018,32.482 48.511,33.975 130,33.975 ccw(c130,34) 130.025,34 130.025,66 ccw(c130,66) 130,66.025 47.75,66.025 ccw(c47.75,66) 47.732,66.018 cw(c47.75,66) 47.732,66.018 46.989,65.275 40.511,65.275 38.768,67.018 cw(c38.75,67) 38.768,67.018 ccw(c38.75,67) 38.75,67.025 30,67.025 ccw(c30,67) 29.975,67 29.975,35 ccw(c30,35) 30,34.975
RET2_IN on MidLayer1 "RET2_IN_L02_P058" (solid, remove dead copper, pour order 114): 41,40.5 46.793,40.5 ccw(c46.793,42.207) 48,41 cw(c48.724,40.276) 48.724,41.3 52.776,41.3 cw(c52.776,40.276) 53.5,41 cw(c52.776,40.276) 53.8,40.276 53.8,37.935 ccw(c54.141,37.935) 53.9,37.694 54.276,37.317 cw(c54.219,37.26) 54.3,37.26 cw(c53.649,37.26) 54.109,36.8 ccw(c54.857,36.053) 53.8,36.053 53.8,35.524 cw(c52.776,35.524) 53.5,34.8 51.944,33.244 cw(c50.148,35.04) 50.148,32.5 40.152,32.5 cw(c40.152,35.04) 38.356,33.244 38,33.6 cw(c39.449,35.049) 37.4,35.049 37.4,36.9 cw(c39.331,36.9) 37.966,38.266 39.634,39.934 cw(c41,38.569)
RET1_IN on MidLayer1 "RET1_IN_L02_P064" (solid, remove dead copper, pour order 120): 48.034,57 cw(c48.034,55.634) 49,56.6 49.607,55.993 cw(c49.215,55.6) 49.77,55.6 49.77,54.692 cw(c48.848,54.692) 49.5,54.04 48.87,53.41 ccw(c49.28,53) 48.7,53 48.7,52.941 ccw(c49.041,52.941) 48.8,52.7 48.929,52.571 cw(c48.759,52.4) 49,52.4 49,52.363 cw(c48.486,52.363) 48.849,52 ccw(c49.21,51.639) 48.7,51.639 48.7,51.5 ccw(c49.666,51.5) 48.983,50.817 49.059,50.741 ccw(c49.4,51.083) 49.4,50.6 cw(c49.4,50.455) 49.502,50.558 49.6,50.46 cw(c49.117,49.977) 49.8,49.977 49.8,49.7 cw(c48.351,49.7) 49.376,48.676 49.3,48.6 cw(c47.61,50.29) 47.61,47.9 42.252,47.9 cw(c42.252,50.44) 40.456,48.644 39.5,49.6 cw(c40.466,50.566) 39.1,50.566 39.1,55 cw(c40.79,55) 39.595,56.195 40,56.6 cw(c40.966,55.634) 40.966,57
NetC52_2 on MidLayer1 "NETC52_2_L02_P070" (solid, remove dead copper, pour order 126): 30,67 37.245,67 cw(c37.245,64.46) 39.041,66.256 39.575,65.723 cw(c38.307,64.455) 40.1,64.455 40.1,63.966 ccw(c41.466,63.966) 40.5,63 cw(c39.052,61.552) 41.1,61.552 41.1,61.007 cw(c39.393,61.007) 40.6,59.8 40.595,59.795 ccw(c41.79,58.6) 40.1,58.6 cw(c37.686,58.6) 39.393,56.893 38.944,56.444 cw(c37.148,58.24) 37.148,55.7 30.014,55.7
NetC51_2 on MidLayer1 "NETC51_2_L02_P076" (solid, remove dead copper, pour order 132): 30.025,50.25 37.27,50.25 cw(c37.27,47.71) 39.067,49.506 39.6,48.972 cw(c38.332,47.704) 40.125,47.704 40.125,47.215 ccw(c41.491,47.215) 40.525,46.25 cw(c39.077,44.801) 41.125,44.801 41.125,44.257 cw(c39.418,44.257) 40.625,43.05 40.62,43.045 ccw(c41.815,41.85) 40.125,41.85 cw(c37.711,41.85) 39.418,40.142 38.969,39.694 cw(c37.173,41.49) 37.173,38.95 30.039,38.95
GND on MidLayer4 "GND_L05_P042" (solid, remove dead copper, pour order 152): 38.739,34.975 39.475,34.239 39.475,33.5 ccw(c39.5,33.5) 39.482,33.482 40.482,32.482 cw(c40.5,32.5) 40.482,32.482 ccw(c40.5,32.5) 40.5,32.475 47,32.475 ccw(c47,32.5) 47.018,32.482 48.511,33.975 130,33.975 ccw(c130,34) 130.025,34 130.025,66 ccw(c130,66) 130,66.025 47.75,66.025 ccw(c47.75,66) 47.732,66.018 cw(c47.75,66) 47.732,66.018 46.989,65.275 40.511,65.275 38.768,67.018 cw(c38.75,67) 38.768,67.018 ccw(c38.75,67) 38.75,67.025 30,67.025 ccw(c30,67) 29.975,67 29.975,35 ccw(c30,35) 30,34.975
RET2_IN on MidLayer4 "RET2_IN_L05_P061" (solid, remove dead copper, pour order 117): 41,40.5 46.793,40.5 ccw(c46.793,42.207) 48,41 cw(c48.724,40.276) 48.724,41.3 52.776,41.3 cw(c52.776,40.276) 53.5,41 cw(c52.776,40.276) 53.8,40.276 53.8,37.935 ccw(c54.141,37.935) 53.9,37.694 54.276,37.317 cw(c54.219,37.26) 54.3,37.26 cw(c53.649,37.26) 54.109,36.8 ccw(c54.857,36.053) 53.8,36.053 53.8,35.524 cw(c52.776,35.524) 53.5,34.8 51.944,33.244 cw(c50.148,35.04) 50.148,32.5 40.152,32.5 cw(c40.152,35.04) 38.356,33.244 38,33.6 cw(c39.449,35.049) 37.4,35.049 37.4,36.9 cw(c39.331,36.9) 37.966,38.266 39.634,39.934 cw(c41,38.569)
RET1_IN on MidLayer4 "RET1_IN_L05_P067" (solid, remove dead copper, pour order 123): 48.034,57 cw(c48.034,55.634) 49,56.6 49.607,55.993 cw(c49.215,55.6) 49.77,55.6 49.77,54.692 cw(c48.848,54.692) 49.5,54.04 48.87,53.41 ccw(c49.28,53) 48.7,53 48.7,52.941 ccw(c49.041,52.941) 48.8,52.7 48.929,52.571 cw(c48.759,52.4) 49,52.4 49,52.363 cw(c48.486,52.363) 48.849,52 ccw(c49.21,51.639) 48.7,51.639 48.7,51.5 ccw(c49.666,51.5) 48.983,50.817 49.059,50.741 ccw(c49.4,51.083) 49.4,50.6 cw(c49.4,50.455) 49.502,50.558 49.6,50.46 cw(c49.117,49.977) 49.8,49.977 49.8,49.7 cw(c48.351,49.7) 49.376,48.676 49.3,48.6 cw(c47.61,50.29) 47.61,47.9 42.252,47.9 cw(c42.252,50.44) 40.456,48.644 39.5,49.6 cw(c40.466,50.566) 39.1,50.566 39.1,55 cw(c40.79,55) 39.595,56.195 40,56.6 cw(c40.966,55.634) 40.966,57
NetC52_2 on MidLayer4 "NETC52_2_L05_P073" (solid, remove dead copper, pour order 129): 30,67 37.245,67 cw(c37.245,64.46) 39.041,66.256 39.575,65.723 cw(c38.307,64.455) 40.1,64.455 40.1,63.966 ccw(c41.466,63.966) 40.5,63 cw(c39.052,61.552) 41.1,61.552 41.1,61.007 cw(c39.393,61.007) 40.6,59.8 40.595,59.795 ccw(c41.79,58.6) 40.1,58.6 cw(c37.686,58.6) 39.393,56.893 38.944,56.444 cw(c37.148,58.24) 37.148,55.7 30.014,55.7
NetC51_2 on MidLayer4 "NETC51_2_L05_P079" (solid, remove dead copper, pour order 135): 30.025,50.25 37.27,50.25 cw(c37.27,47.71) 39.067,49.506 39.6,48.972 cw(c38.332,47.704) 40.125,47.704 40.125,47.215 ccw(c41.491,47.215) 40.525,46.25 cw(c39.077,44.801) 41.125,44.801 41.125,44.257 cw(c39.418,44.257) 40.625,43.05 40.62,43.045 ccw(c41.815,41.85) 40.125,41.85 cw(c37.711,41.85) 39.418,40.142 38.969,39.694 cw(c37.173,41.49) 37.173,38.95 30.039,38.95
RET2_IN on Top Layer "RET2_IN_L01_P057" (solid, remove dead copper, pour order 113): 41,40.5 46.793,40.5 ccw(c46.793,42.207) 48,41 cw(c48.724,40.276) 48.724,41.3 52.776,41.3 cw(c52.776,40.276) 53.5,41 cw(c52.776,40.276) 53.8,40.276 53.8,37.935 ccw(c54.141,37.935) 53.9,37.694 54.276,37.317 cw(c54.219,37.26) 54.3,37.26 cw(c53.645,37.271) 54.1,36.8 ccw(c54.852,36.064) 53.8,36.053 53.8,35.524 cw(c52.776,35.524) 53.5,34.8 51.944,33.244 cw(c50.148,35.04) 50.148,32.5 40.152,32.5 cw(c40.152,35.04) 38.356,33.244 38,33.6 cw(c39.449,35.049) 37.4,35.049 37.4,36.9 cw(c39.331,36.9) 37.966,38.266 39.634,39.934 cw(c41,38.569)
NetC51_2 on Top Layer "NETC51_2_L01_P075" (solid, remove dead copper, pour order 131): 30.025,50.25 37.27,50.25 cw(c37.27,47.71) 39.067,49.506 39.6,48.972 cw(c38.332,47.704) 40.125,47.704 40.125,47.215 ccw(c41.491,47.215) 40.525,46.25 cw(c39.077,44.801) 41.125,44.801 41.125,44.257 cw(c39.418,44.257) 40.625,43.05 40.62,43.045 ccw(c41.815,41.85) 40.125,41.85 cw(c37.711,41.85) 39.418,40.142 38.969,39.694 cw(c37.173,41.49) 37.173,38.95 30.039,38.95
NetC52_2 on Top Layer "NETC52_2_L01_P069" (solid, remove dead copper, pour order 125): 30,67 37.245,67 cw(c37.245,64.46) 39.041,66.256 39.575,65.723 cw(c38.307,64.455) 40.1,64.455 40.1,63.966 ccw(c41.466,63.966) 40.5,63 cw(c39.052,61.552) 41.1,61.552 41.1,61.007 cw(c39.393,61.007) 40.6,59.8 40.595,59.795 ccw(c41.79,58.6) 40.1,58.6 cw(c37.686,58.6) 39.393,56.893 38.944,56.444 cw(c37.148,58.24) 37.148,55.7 30.014,55.7
RET1_IN on Top Layer "RET1_IN_L01_P063" (solid, remove dead copper, pour order 119): 48.034,57 cw(c48.034,55.634) 49,56.6 49.607,55.993 cw(c49.215,55.6) 49.77,55.6 49.77,54.692 cw(c48.848,54.692) 49.5,54.04 48.87,53.41 ccw(c49.28,53) 48.7,53 48.7,52.941 ccw(c49.041,52.941) 48.8,52.7 48.929,52.571 cw(c48.759,52.4) 49,52.4 49,52.363 cw(c48.486,52.363) 48.849,52 ccw(c49.21,51.639) 48.7,51.639 48.7,51.5 ccw(c49.666,51.5) 48.983,50.817 49.059,50.741 ccw(c49.4,51.083) 49.4,50.6 cw(c49.4,50.455) 49.502,50.558 49.6,50.46 cw(c49.117,49.977) 49.8,49.977 49.8,49.7 cw(c48.351,49.7) 49.376,48.676 49.3,48.6 cw(c47.61,50.29) 47.61,47.9 42.252,47.9 cw(c42.252,50.44) 40.456,48.644 39.5,49.6 cw(c40.466,50.566) 39.1,50.566 39.1,55 cw(c40.79,55) 39.595,56.195 40,56.6 cw(c40.966,55.634) 40.966,57
VCCP_12V0_A on Top Layer "VCCP_12V0_A_L01_P084" (solid, remove dead copper, pour order 144): 69.2,38.2 ccw(c69.2,37.7) 68.7,37.7 68.7,35.5 ccw(c68.9,35.5) 68.9,35.3 74.9,35.3 ccw(c74.9,36.1) 75.7,36.1 75.7,37.9 ccw(c75.4,37.9) 75.4,38.2
GND on Top Layer "GND_L01_P091" (solid, remove dead copper, pour order 151): 38.739,34.975 39.475,34.239 39.475,33.5 ccw(c39.5,33.5) 39.482,33.482 40.482,32.482 cw(c40.5,32.5) 40.482,32.482 ccw(c40.5,32.5) 40.5,32.475 47,32.475 ccw(c47,32.5) 47.018,32.482 48.511,33.975 130,33.975 ccw(c130,34) 130.025,34 130.025,66 ccw(c130,66) 130,66.025 47.75,66.025 ccw(c47.75,66) 47.732,66.018 cw(c47.75,66) 47.732,66.018 46.989,65.275 40.511,65.275 38.768,67.018 cw(c38.75,67) 38.768,67.018 ccw(c38.75,67) 38.75,67.025 30,67.025 ccw(c30,67) 29.975,67 29.975,35 ccw(c30,35) 30,34.975
RET2_IN on Bottom Layer "RET2_IN_L06_P062" (solid, remove dead copper, pour order 118): 41,40.5 46.793,40.5 ccw(c46.793,42.207) 48,41 cw(c48.724,40.276) 48.724,41.3 52.776,41.3 cw(c52.776,40.276) 53.5,41 cw(c52.776,40.276) 53.8,40.276 53.8,37.935 ccw(c54.141,37.935) 53.9,37.694 54.276,37.317 cw(c54.219,37.26) 54.3,37.26 cw(c53.649,37.26) 54.109,36.8 ccw(c54.857,36.053) 53.8,36.053 53.8,35.524 cw(c52.776,35.524) 53.5,34.8 51.944,33.244 cw(c50.148,35.04) 50.148,32.5 40.152,32.5 cw(c40.152,35.04) 38.356,33.244 38,33.6 cw(c39.449,35.049) 37.4,35.049 37.4,36.9 cw(c39.331,36.9) 37.966,38.266 39.634,39.934 cw(c41,38.569)
NetC52_2 on Bottom Layer "NETC52_2_L06_P074" (solid, remove dead copper, pour order 130): 30,67 37.245,67 cw(c37.245,64.46) 39.041,66.256 39.575,65.723 cw(c38.307,64.455) 40.1,64.455 40.1,63.966 ccw(c41.466,63.966) 40.5,63 cw(c39.052,61.552) 41.1,61.552 41.1,61.007 cw(c39.393,61.007) 40.6,59.8 40.595,59.795 ccw(c41.79,58.6) 40.1,58.6 cw(c37.686,58.6) 39.393,56.893 38.944,56.444 cw(c37.148,58.24) 37.148,55.7 30.014,55.7
NetC51_2 on Bottom Layer "NETC51_2_L06_P080" (solid, remove dead copper, pour order 136): 30.025,50.25 37.27,50.25 cw(c37.27,47.71) 39.067,49.506 39.6,48.972 cw(c38.332,47.704) 40.125,47.704 40.125,47.215 ccw(c41.491,47.215) 40.525,46.25 cw(c39.077,44.801) 41.125,44.801 41.125,44.257 cw(c39.418,44.257) 40.625,43.05 40.62,43.045 ccw(c41.815,41.85) 40.125,41.85 cw(c37.711,41.85) 39.418,40.142 38.969,39.694 cw(c37.173,41.49) 37.173,38.95 30.039,38.95
RET1_IN on Bottom Layer "RET1_IN_L06_P068" (solid, remove dead copper, pour order 124): 48.034,57 cw(c48.034,55.634) 49,56.6 49.607,55.993 cw(c49.215,55.6) 49.77,55.6 49.77,54.692 cw(c48.848,54.692) 49.5,54.04 48.87,53.41 ccw(c49.28,53) 48.7,53 48.7,52.941 ccw(c49.041,52.941) 48.8,52.7 48.929,52.571 cw(c48.759,52.4) 49,52.4 49,52.363 cw(c48.486,52.363) 48.849,52 ccw(c49.21,51.639) 48.7,51.639 48.7,51.5 ccw(c49.666,51.5) 48.983,50.817 49.059,50.741 ccw(c49.4,51.083) 49.4,50.6 cw(c49.4,50.455) 49.502,50.558 49.6,50.46 cw(c49.117,49.977) 49.8,49.977 49.8,49.7 cw(c48.351,49.7) 49.376,48.676 49.3,48.6 cw(c47.61,50.29) 47.61,47.9 42.252,47.9 cw(c42.252,50.44) 40.456,48.644 39.5,49.6 cw(c40.466,50.566) 39.1,50.566 39.1,55 cw(c40.79,55) 39.595,56.195 40,56.6 cw(c40.966,55.634) 40.966,57
GND on Bottom Layer "GND_L06_P087" (solid, remove dead copper, pour order 147): 38.739,34.975 39.475,34.239 39.475,33.5 ccw(c39.5,33.5) 39.482,33.482 40.482,32.482 cw(c40.5,32.5) 40.482,32.482 ccw(c40.5,32.5) 40.5,32.475 47,32.475 ccw(c47,32.5) 47.018,32.482 48.511,33.975 130,33.975 ccw(c130,34) 130.025,34 130.025,66 ccw(c130,66) 130,66.025 47.75,66.025 ccw(c47.75,66) 47.732,66.018 cw(c47.75,66) 47.732,66.018 46.989,65.275 40.511,65.275 38.768,67.018 cw(c38.75,67) 38.768,67.018 ccw(c38.75,67) 38.75,67.025 30,67.025 ccw(c30,67) 29.975,67 29.975,35 ccw(c30,35) 30,34.975

## Keep-outs
Keep-Out Layer:
  lines w0.1: 29.975,34.995 29.986,34.978 30,34.975 38.739,34.975 39.475,34.239 39.475,33.497 39.482,33.482 40.484,32.48 40.5,32.475 47.003,32.475 47.018,32.482 48.511,33.975 130.005,33.975 130.022,33.986 130.025,34 130.025,66.005 130.014,66.022 130,66.025 47.747,66.025 47.732,66.018 46.989,65.275 40.511,65.275 38.766,67.02 38.75,67.025 29.995,67.025 29.978,67.014 29.975,67 29.975,64.775 37.694,64.775 37.915,64.684 38.084,64.515 38.175,64.294 38.175,64.056 38.084,63.835 37.915,63.666 37.694,63.575 37.575,63.575 37.575,58.875 37.694,58.875 37.915,58.784 38.084,58.615 38.175,58.394 38.175,58.156 38.084,57.935 37.915,57.766 37.694,57.675 29.975,57.675 29.975,48.024 37.719,48.024 37.94,47.933 38.109,47.764 38.2,47.544 38.2,47.305 38.109,47.085 37.94,46.916 37.719,46.824 37.6,46.824 37.6,42.124 37.719,42.124 37.94,42.033 38.109,41.864 38.2,41.644 38.2,41.405 38.109,41.185 37.94,41.016 37.719,40.924 29.975,40.924 29.975,34.995

## Other copper
Top Layer:
  rectangle net GND: 65.825,62.446 66.093,62.601
  rectangle net GND: 53.7,61 54.247,61.82
  rectangle net GND: 64.8,62.345 66.1,62.5
  rectangle net GND: 83.855,37.775 86.76,39.2
  rectangle net NetC1B_2: 83.86,39.925 86.53,41.2
  rectangle net NetC6B_2: 83.86,35.6 86.53,36.875
  rectangle net NetC25_2: 114.9,41.5 116.4,42.3
  rectangle net NetC25_2: 112.85,37 114.1,39.3
  rectangle net NetC27_2: 119.6,35.8 121.8,37.3
  rectangle net NetC21_2: 67.108,59.165 69.997,59.865
  rectangle net GND: 67.108,58.215 69.997,58.915
  rectangle net NetC38_1: 57.797,59.165 58.497,60.565
  rectangle net NetC38_1: 57.797,59.065 59.597,60.065
  rectangle net NetC6A_2: 78.7,50.9 81.37,52.175
  rectangle net NetC1A_2: 78.7,55.225 81.37,56.5
  rectangle net GND: 78.695,53.075 81.6,54.5
  rectangle net GND: 54,34.2 106.1,35
  rectangle net GND: 51.8,65 105.9,65.8
  rectangle net VCCP_6V0_A: 124.4,47.3 125.4,47.7
  rectangle net VCCN_6V0_A: 128,47.3 129,47.7
  region net VCCP_12V0_A: 126,49.62 125,49.62 125,49.22 126,49.22
  region net VCCN_12V0_A: 129.6,49.62 128.3,49.62 128.3,49.22 129.6,49.22
  rectangle net GND: 54.005,58.597 54.3,59.3
  rectangle net GND: 51.7,58.597 52.045,59.4
  rectangle net GND: 51.705,57.997 52.045,59.297
  rectangle net GND: 61.2,62.3 62.1,62.5
  rectangle net GND: 61.2,61.2 62.1,61.4
  region net GND: 65.595,62.5 64.695,62.5 64.695,62.3 65.595,62.3
  region net GND: 65.595,61.4 64.695,61.4 64.695,61.2 65.595,61.2
  region net GND: 61.947,61.255 61.047,61.255 61.047,60.955 61.947,60.955
  rectangle net GND: 54.24,39.8 55.1,40.1
  rectangle net VCCN_5V0_A: 116.676,34.8 118.229,35.7
  rectangle net VCCP_5V0: 112.3,41.5 113.5,42.3
  rectangle net GND: 85.9,38.3 87.8,38.8
  rectangle net GND: 80.74,53.6 82.64,54.1
  rectangle net NetL1_1: 75.7,53.1 76.4,55.7
  rectangle net VCCP_11V5_A: 73.8,49.6 78.7,50.5
  rectangle net NetC109_2: 106.1,51.2 107.6,53.7
  rectangle net NetC109_2: 105.4,48.3 107.6,48.8
  rectangle net NetC109_2: 105.4,48.3 105.9,51.9
  rectangle net NetC109_2: 105.4,51.2 107.6,51.9
  rectangle net NetC58_1: 83.3,46.6 83.9,48.1
  rectangle net NetC58_1: 83.1,46.6 85.1,47
  rectangle net VCCP_5V0: 83.1,42.3 84.1,45.4
  rectangle net VCCP_5V0: 83.1,41.9 87.9,43
  rectangle net VCCP_5V0: 86.9,40.6 87.9,43
  rectangle net GND: 50.27,49.7 55,50.2
  rectangle net GND: 84.2,57.975 84.8,58.7
  rectangle net VCCP_11V5_A: 73.8,48.5 75.3,50.9
MidLayer1:
  rectangle net VCCP_6V0_A: 124.4,47.295 125.4,47.695
  rectangle net VCCN_6V0_A: 128,47.295 129,47.695
  region net VCCP_12V0_A: 126,49.615 125,49.615 125,49.215 126,49.215
  region net VCCN_12V0_A: 129.6,49.615 128.6,49.615 128.6,49.215 129.6,49.215
MidLayer2:
  rectangle net VCCP_6V0_A: 124.4,47.3 125.4,47.7
  rectangle net VCCN_6V0_A: 128,47.3 129,47.7
  region net VCCP_12V0_A: 126,49.62 125,49.62 125,49.22 126,49.22
  region net VCCN_12V0_A: 129.6,49.62 128.6,49.62 128.6,49.22 129.6,49.22
MidLayer3:
  rectangle net VCCP_6V0_A: 124.4,47.3 125.6,47.7
  rectangle net VCCN_6V0_A: 128,47.3 129.2,47.7
  region net VCCP_12V0_A: 126.2,49.62 125,49.62 125,49.22 126.2,49.22
  region net VCCN_12V0_A: 129.8,49.62 128.6,49.62 128.6,49.22 129.8,49.22
MidLayer4:
  rectangle net VCCP_6V0_A: 124.3,47.3 125.4,47.7
  rectangle net VCCN_6V0_A: 127.9,47.3 129,47.7
  region net VCCP_12V0_A: 126,49.62 124.9,49.62 124.9,49.22 126,49.22
  region net VCCN_12V0_A: 129.6,49.62 128.5,49.62 128.5,49.22 129.6,49.22
Bottom Layer:
  rectangle net VCCP_5V0: 110.2,40.4 110.6,40.8
  rectangle net VCCN_5V0_A: 115.3,35.1 115.7,35.5
  rectangle net VCCD_3V3: 128.59,60 129,60.4
  rectangle net NetC9A_2: 54.47,52 54.72,52.8
  rectangle net NetC38_1: 57.797,59.265 58.697,61.265
  rectangle net NetC21_2: 65.697,59.865 66.697,62.265
  rectangle net NetC38_1: 56.797,59.09 59.597,59.765
  rectangle net GND: 54,34.2 112,35
  rectangle net GND: 41,57.3 94,57.8
  rectangle net GND: 51.9,65 112,65.8
  rectangle net GND: 41,42.1 92.1,42.6
  rectangle net GND: 50.25,49.7 83.6,50.2
  rectangle net RET1_IN: 49,54.2 49.6,55.7
  rectangle net VCCP_6V0_A: 124.4,47.3 125.4,47.7
  rectangle net VCCN_6V0_A: 128,47.3 129,47.7
  region net VCCP_12V0_A: 126,49.62 125,49.62 125,49.22 126,49.22
  region net VCCN_12V0_A: 129.6,49.62 128.6,49.62 128.6,49.22 129.6,49.22
  rectangle net NetC6A_2: 80.1,52.1 80.7,52.6
  rectangle net NetC6A_2: 81.1,52 81.6,52.7
  rectangle net NetC6A_2: 80.1,52 80.6,52.7
  rectangle net NetC6B_2: 85.26,36.7 85.76,37.4
  rectangle net NetC6B_2: 86.26,36.7 86.76,37.4
  region net NetC1B_2: 85.8,40.2 85.3,40.2 85.3,39.5 85.8,39.5
  region net NetC1B_2: 86.8,40.2 86.3,40.2 86.3,39.5 86.8,39.5
  region net NetC1A_2: 80.64,55.5 80.14,55.5 80.14,54.8 80.64,54.8
  region net NetC1A_2: 81.64,55.5 81.14,55.5 81.14,54.8 81.64,54.8
  rectangle net GND: 57.5,55.67 57.58,56.6
  rectangle net GND: 60.87,56.6 61,57.2
  rectangle net GND: 62.6,40.1 63.24,41
  rectangle net GND: 60.86,56.842 61.039,57.024
  rectangle net RET2_IN: 53.1,38.6 53.5,40.4
  rectangle net GND: 60.8,50.14 61.1,50.7
  rectangle net VPS: 95.7,46.5 96.5,51.6
  rectangle net VPS: 92.7,46.5 93.5,50.4
  rectangle net VPS: 93,46.5 96.1,47.3
  rectangle net VCCP_LO_3V3: 102.5,52.9 106,53.7
  rectangle net GND: 93.8,47.5 95.4,52.03
  rectangle net NetC100_2: 99.137,51.5 100.3,54.2
  rectangle net NetC100_2: 97.2,53.6 99.3,54.7
  rectangle net VCCP_5V0: 95.9,51.8 98.755,53.2
  rectangle net NetC103_2: 108.6,49.7 109.3,50.3
  rectangle net GND: 58.5,44.4 61.2,47.5
  rectangle net NetIC10_19: 57.5,46.9 58.1,48.6
  rectangle net VdPS: 57.6,43.7 58.1,46.5
  rectangle net VdPS: 60.1,43.6 62.4,44.1
  rectangle net VdPS: 60.6,47.8 62,48.5
  rectangle net VdPS: 56.5,43.3 58.1,44.3
  rectangle net GND: 60.1,47 62,47.5
  rectangle net GND: 58.5,43.7 59.3,48.6
  rectangle net NetC58_1: 88.5,46.4 89.3,48.2
  rectangle net NetC58_1: 84.5,46.4 85.3,48.2
  rectangle net NetC58_1: 83.3,47.5 85.015,47.921
  rectangle net NetC58_1: 84.7,46.4 89.3,47.3
  rectangle net RET2_IN: 52.914,38.314 53.724,40.626
  rectangle net NetC84_2: 68.5,43.4 69.2,45.3
  rectangle net NetC84_2: 68.5,43.4 72.4,44.3
  rectangle net NetC84_2: 71.1,44.1 72.4,45.3
  rectangle net VCCP_11V5_A: 71.6,47.5 75.5,49.3
  rectangle net VCCP_12V0_A: 66,44.1 67.7,44.9
Multi-Layer:
  pour cut-out: 39.565,57.057 39.159,56.651 39.59,56.19 40.053,56.653

## Silkscreen, mask and mechanical layers (free items; w line width, h text height)
Top Overlay:
  text "OUT1" at 41.7,59 h1.52
  text "IN1" at 48.4,52.9 h1.52
  text "OUT2" at 41.1,42.3 h1.52
  text "IN2" at 48.2,39 h1.52
Bottom Overlay:
  drawing of 1216 lines, arcs and shapes, not listed
  text "Nanoga v0.1" at 91.2,62.4 h1.5
  text "WUT" at 91.2,59.5 h1.5
  text "+3V3" at 129,59.2 h0.51
  text "+12V" at 125.9,48.4 h0.51
  text "-12V" at 129.5,48.4 h0.51
  text "+6V" at 125.3,46.5 h0.51
  text "-6V" at 128.9,46.5 h0.51
  text "+5V" at 109.7,40.3 h0.51
  text "-5V" at 114.9,35 h0.51
Mechanical 1:
  lines w0.05: 17.5,55.5 17.5,53 47,53 ; 30,67 38.75,67 39.25,66.5 40.5,65.25 47,65.25 47.75,66 58,66 130,66 130,34 48.5,34 47.5,33 47,32.5 40.5,32.5 39.5,33.5 39.5,34 39.5,34.25 38.75,35 30,35 30,67 ; 30,67 31,67 30,67
Mechanical 2:
  lines w0.127: 37.17,64.632 38.171,64.632 ; 38.17,48.632 39.171,48.632

## Text inside footprints (layer, text, board x,y; h text height)
FL2: Drill Drawing "capped via" at 92.672,63.615 h0.5 r180; Drill Drawing "Filled and" at 92.622,62.865 h0.5 r180
FL3: Drill Drawing "capped via" at 87.747,63.615 h0.5 r180; Drill Drawing "Filled and" at 87.697,62.865 h0.5 r180
FL4: Drill Drawing "capped via" at 82.672,63.615 h0.5 r180; Drill Drawing "Filled and" at 82.622,62.865 h0.5 r180
J8: Drill Drawing "r0.6" at 36.414,42.241 h1 r180; Drill Drawing "8.6" at 34.188,46.083 h1 r180; Drill Drawing "7.1" at 35.95,46.474 h1 r270; Mechanical 8 "2.5mm" at 30.95,43.224 h1 r180; Mechanical 8 "3mm" at 25.9,43.199 h1 r180
J11: Drill Drawing "r0.6" at 36.389,58.992 h1 r180; Drill Drawing "8.6" at 34.163,62.833 h1 r180; Drill Drawing "7.1" at 31.036,61.469 h1 r270; Mechanical 8 "2.5mm" at 30.925,59.975 h1 r180; Mechanical 8 "3mm" at 25.875,59.95 h1 r180